# KiCad board latentpink.kicad_pcb (continued)
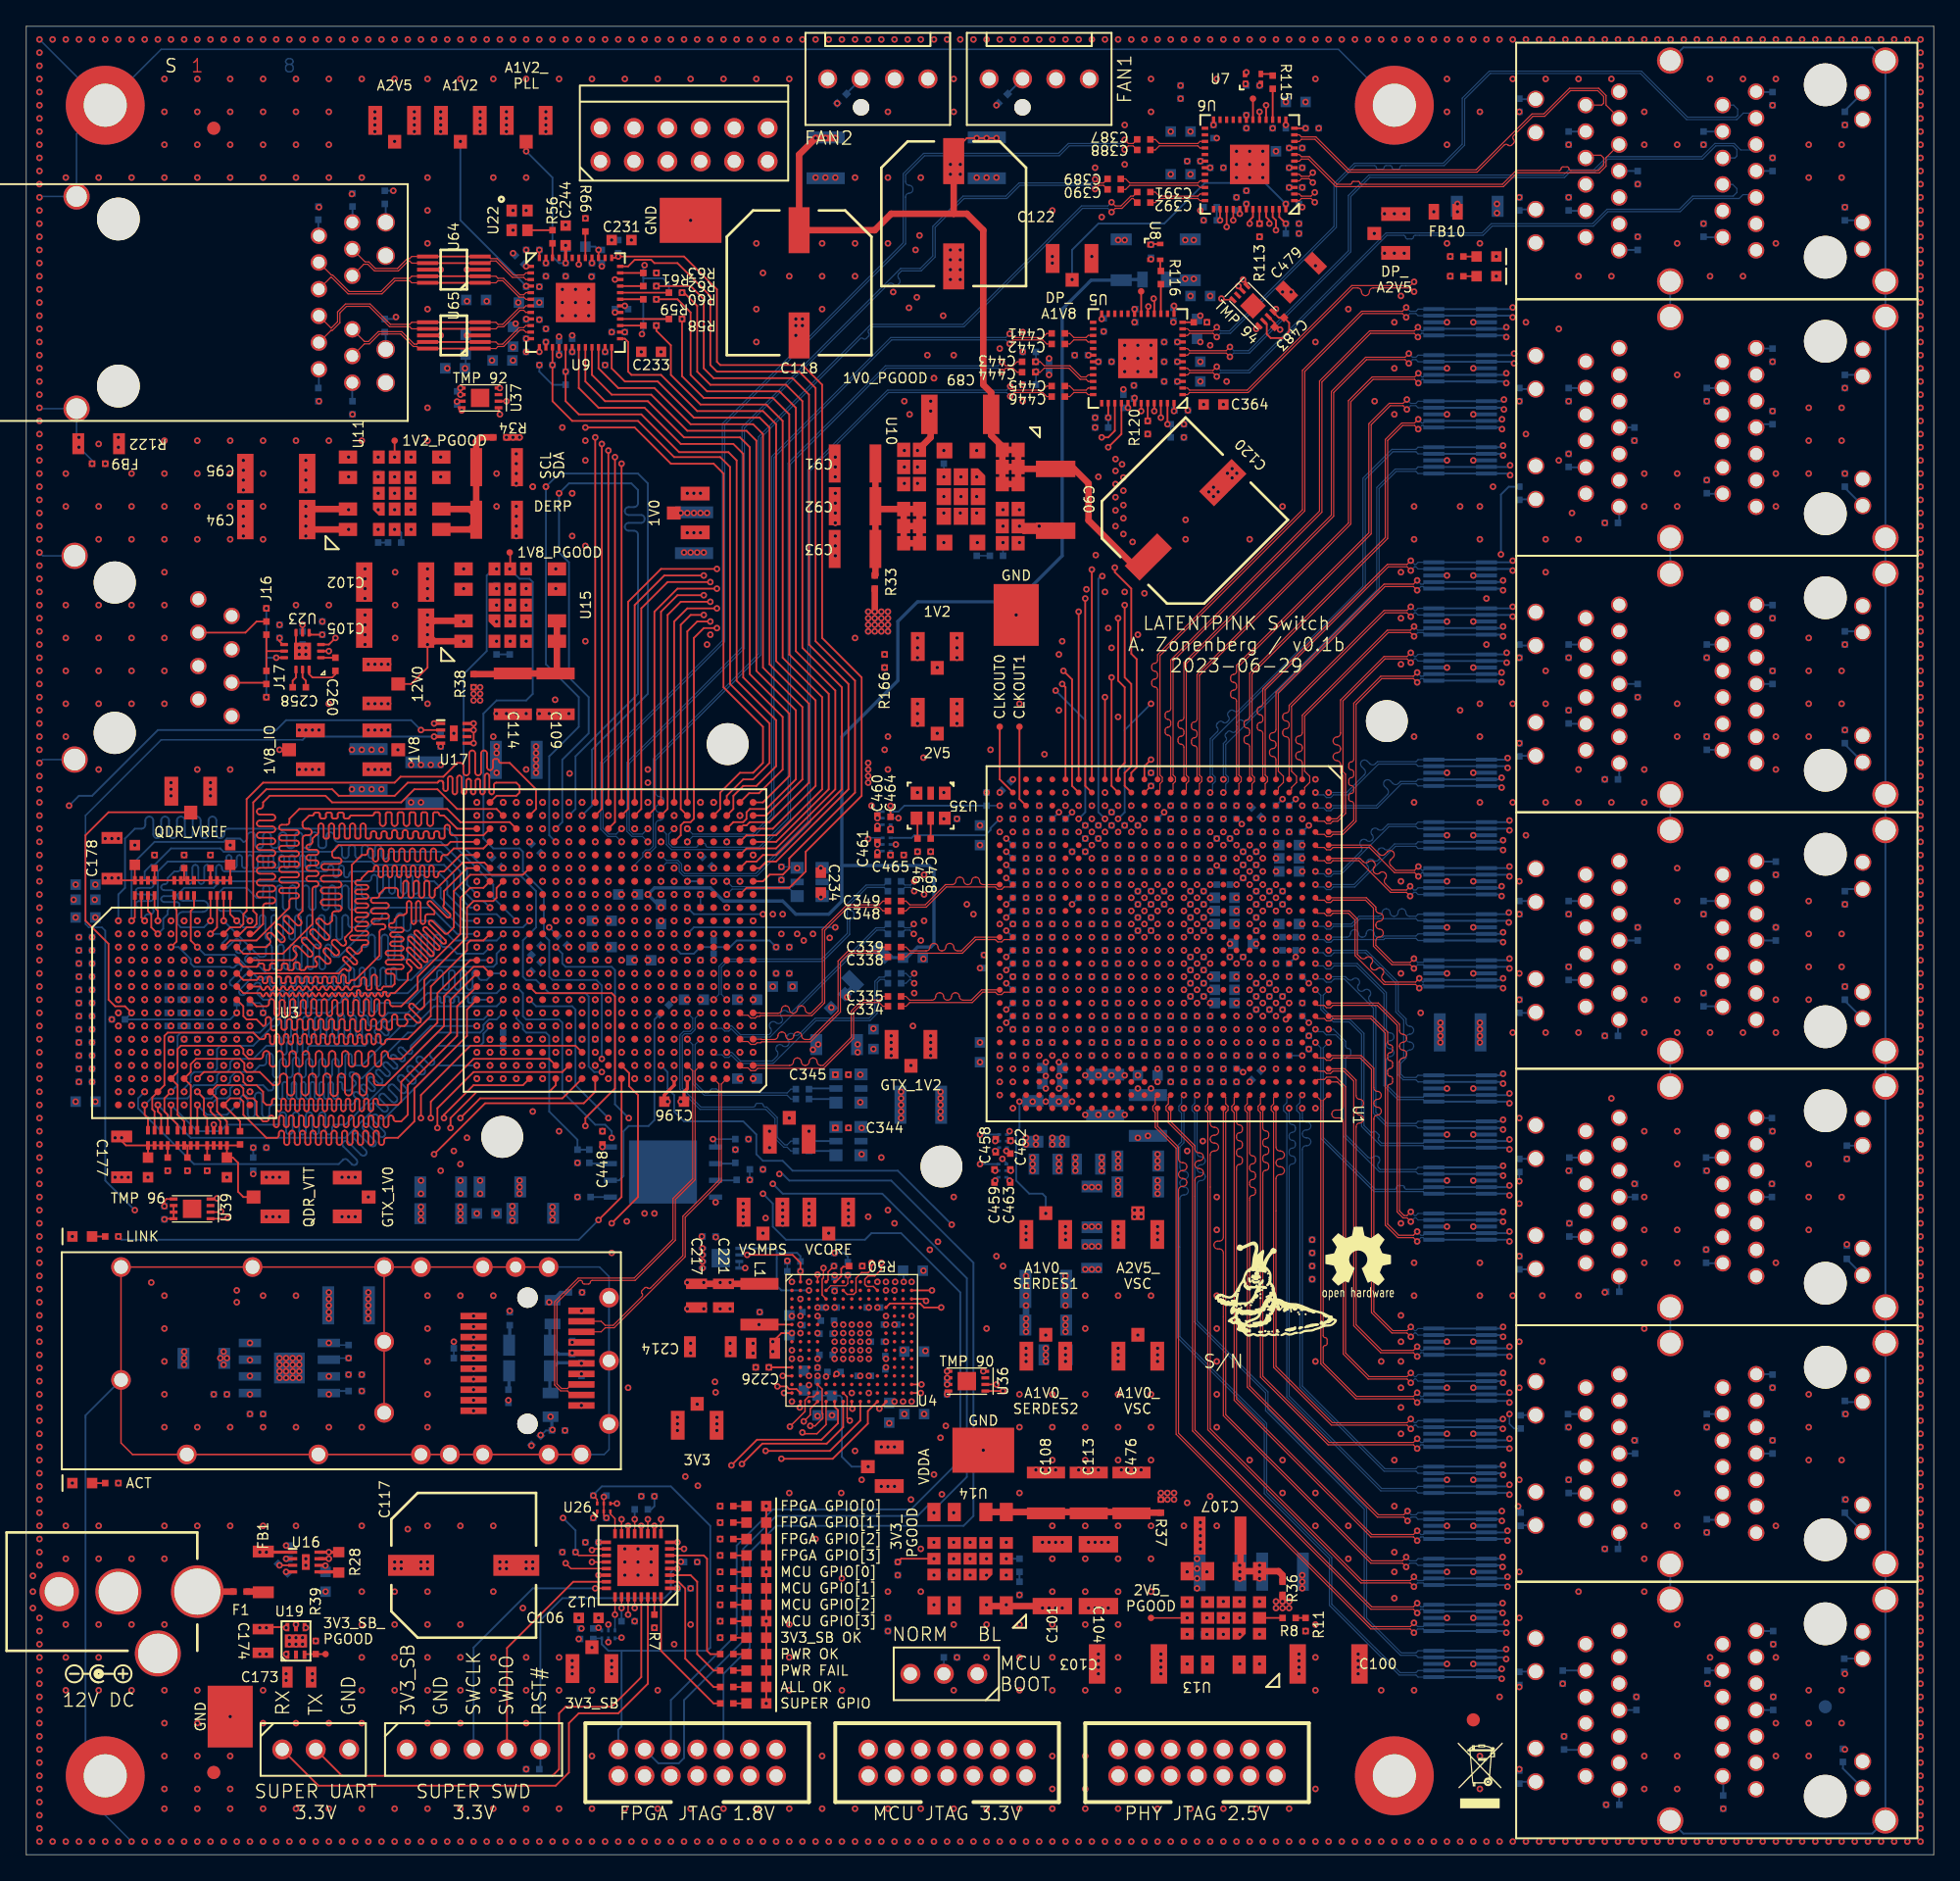
[diagram p0: board, top side]
## Routing (per net, layer and track width the routed paths; a pad name or vN(x,y) marks a point on that pad's centre or on a via; arc(x,y) is an arc through that point) (continued)
Net-(R90-Pad2): length 84.5
  In2.Cu w0.115: v1(84,79.75) 84,95.5 v1(83.5,96)
  In5.Cu w0.115: v1(138.25,85.5) 135.25,85.5 133.5,87.25 133.5,94.75 126.75,101.5 123.25,101.5 121,99.25 103.85,99.25 101.07,96.47 84.72,96.47 84.25,96 v1(83.5,96)
Net-(R91-Pad2): length 51.7
  In2.Cu w0.115: v1(85,78.75) v1(85,95.9)
  In5.Cu w0.115: v1(85,95.9) 101.3,95.9 104.3,98.9 112.05,98.9 v1(112.1,98.85)
  Bottom w0.14: v1(112.1,98.85) 112.1,103.4 112.7,104 R91.2
Net-(R92-Pad2): length 95.5
  Top w0.14: v1(82.75,97.85) 82.75,97.5 84,96.25 84,91.3 84.41,90.89 84.41,82.66 84,82.25 U1.T1
  In5.Cu w0.115: v1(82.75,97.85) 83.9,99 84.9,99 86.1,97.8 97.7,97.8 109.1,109.2 109.1,116.6 110.75,118.25 130,118.25 133.75,114.5 133.75,108 136.75,105 v1(138.25,105)
Net-(R93-Pad2): length 94.9
  In2.Cu w0.115: v1(89.44,54.25) 89.44,27.81 v1(90,27.25)
  In5.Cu w0.115: v1(89.44,54.25) 90.5,55.31 90.5,74 90.25,74.25 89.75,74.25 89.5,74.5 89.5,79.9 89.1,80.3 85,80.3 83.97,81.33 79.58,81.33 v1(79,80.75) ; v1(90,27.25) 94.5,27.25 109,12.75 v1(113.5,12.75)
Net-(R94-Pad2): length 128.6
  In2.Cu w0.115: v1(79,79.75) 78.5,80.25 v1(78.5,87)
  In5.Cu w0.115: v1(78.5,87) 93.75,87 94,86.75 94,80.25 94.5,79.75 94.5,78.5 94.75,78.25 95.25,78.25 95.5,78 95.5,77.5 95.75,77.25 97.25,77.25 98.25,76.25 99.25,76.25 100,75.5 100,32 108.75,23.25 112.5,23.25 115,20.75 130.83,20.75 134.54,17.04 134.54,15.71 136.5,13.75 v1(138.25,13.75)
Net-(R95-Pad2): length 98.3
  In5.Cu w0.115: v1(112.75,33.5) 112.5,33.75 105.5,33.75 101.5,37.75 101.5,79.25 100.5,80.25 97.75,80.25 97.5,80.5 97.5,87.5 96.5,88.5 v1(78.25,88.5)
  Bottom w0.115: v1(112.75,33.5) 112.75,32.75 113.1,32.4 R95.2
  Bottom w0.14: v1(80,78.75) 80.5,79.25 80.5,86.25 v1(78.25,88.5)
Net-(R96-Pad2): length 112.9
  Top w0.14: v1(78.75,89) 79,88.75 U1.AA1
  In5.Cu w0.115: v1(78.75,89) 97.25,89 98.25,88 98.25,83 102,79.25 102,45 106,41 120,41 126.5,34.5 130,34.5 131,33.5 v1(138.3,33.5)
Net-(R97-Pad2): length 79.4
  Top w0.14: U1.Y2 79.5,81.25 79.5,89.34 v1(78.84,90)
  In5.Cu w0.115: v1(78.84,90) 97.75,90 99.25,88.5 99.25,83.5 103,79.75 103,54.5 104.69,52.81 112.79,52.81 113.5,52.1 v1(113.5,51.2)
  Bottom w0.115: R97.2 v1(113.5,51.2)
Net-(R98-Pad2): length 105.1
  In2.Cu w0.115: v1(78.75,92.25) 80,91 v1(80,79.75)
  In5.Cu w0.115: v1(78.75,92.25) 97.5,92.25 100.25,89.5 100.25,84.25 104,80.5 104,60.75 104.79,59.96 124.04,59.96 124.3,59.7 126.4,59.7 128.4,57.7 133,57.7 134.7,56 134.7,53.4 135.2,52.9 v1(138.4,52.9)
Net-(R99-Pad2): length 61.2
  In2.Cu w0.115: v1(82.25,93.25) 81.5,92.5 81.5,79.25 v1(81,78.75)
  In5.Cu w0.115: v1(113.5,71.5) 113.5,71.75 113,72.25 111.75,72.25 111,73 111,77.06 104.06,84 102.25,84 101.25,85 101.25,90.75 98.75,93.25 v1(82.25,93.25)
Net-(R100-Pad2): length 82.4
  Top w0.14: v1(80,94.5) U1.Y1
  In5.Cu w0.115: v1(80,94.5) 99.5,94.5 110,84 113,84 116.47,80.53 122.78,80.53 124.5,82.25 128,82.25 134.5,75.75 134.5,74.5 136.75,72.25 v1(138.25,72.25)
Net-(R101-Pad2): length 50.8
  Top w0.14: U1.W2 80.5,81.25 v1(80.5,95.5)
  In5.Cu w0.115: v1(80.5,95.5) 110,95.5 111.25,94.25 111.25,92.75 112,92 112.75,92 113.5,91.25 v1(113.5,91)
Net-(R102-Pad2): length 80.8
  In2.Cu w0.115: v1(81,79.75) 81,95.79 v1(80.59,96.2)
  In5.Cu w0.115: v1(80.59,96.2) 81.09,96.7 84.2,96.7 84.3,96.8 100.6,96.8 104.3,100.5 121.25,100.5 122.75,102 127,102 137,92 v1(138.25,92)
Net-(R103-Pad2): length 56.9
  In5.Cu w0.115: v1(113.5,110.5) 113.5,109 112.25,107.75 108.55,107.75 98,97.2 81.8,97.2 v1(81.8,97.2)
  Bottom w0.14: v1(82,78.75) 81.5,79.25 81.5,97 81.7,97.2 v1(81.8,97.2)
Net-(R104-Pad2): length 94.8
  Top w0.14: v1(81,97.7) U1.W1
  In5.Cu w0.115: v1(138.25,111.5) 135.5,111.5 134.5,112.5 134.5,115.25 128.6,121.15 123.55,121.15 121.4,119 108.2,119 107.1,117.9 107.1,108.6 96.8,98.3 86.1,98.3 85.1,99.3 82.6,99.3 v1(81,97.7)
Net-(R108-Pad2):
  vias: v1(96,61.75)
Net-(R115-Pad1): length 0.8
  Top w0.14: U7.3 94.63,135.38
Net-(R116-Pad1): length 0.8
  Top w0.14: U8.3 86.2,120.45
Net-(R117-Pad2): length 1
  Bottom w0.14: v1(50.25,74) R117.2
Net-(R118-Pad2):
  vias: v1(42.25,74)
Net-(R123-Pad2): length 1.4
  Bottom w0.14: U28.2 53.83,52.53
Net-(R124-Pad2): length 1.6
  Bottom w0.14: U28.3 53.97,51.27
Net-(R125-Pad1): length 1.5
  Bottom w0.14: U28.7 42.86,52.53
Net-(R126-Pad1): length 1.5
  Bottom w0.14: U28.5 42.91,50
Net-(U1-PadAE22):
  vias: v1(75,60.75)
Net-(U1-PadAF22):
  vias: v1(74,60.75)
Net-(U1-PadE13): length 0.5
  Bottom w0.14: R110.2 v1(95,69.75)
Net-(U1-PadE14): length 0.5
  Bottom w0.14: C353.1 v1(95,68.75)
Net-(U1-PadK4):
  vias: v1(90,78.75)
Net-(U1-PadK23):
  vias: v1(90,59.75)
Net-(U1-PadL4):
  vias: v1(89,78.75)
Net-(U1-PadL23):
  vias: v1(89,59.75)
Net-(U1-PadV2): length 91.9
  In2.Cu w0.115: v1(88.25,53.5) v1(88.25,26.75)
  In5.Cu w0.115: v1(88.25,26.75) 93.25,26.75 v1(113.5,6.5) ; v1(82,80.75) 83.85,80.75 86.3,78.3 87.3,78.3 87.5,78.1 87.5,54.25 v1(88.25,53.5)
Net-(U1-PadV3): length 130.4
  In2.Cu w0.115: v1(82,79.75) 83,80.75 v1(83,86.5)
  In5.Cu w0.115: v1(138.25,8) 130.5,8 129.49,9.01 126.74,9.01 122.75,13 122.75,18.25 121.44,19.56 108.69,19.56 99.5,28.75 99.5,75 98.75,75.75 97.75,75.75 97.25,76.25 94.75,76.25 94.5,76.5 94.5,78 94.25,78.25 93.75,78.25 93.5,78.5 93.5,86 93,86.5 v1(83,86.5)
Net-(U5-Pad12): length 0.8
  Top w0.14: U5.12 R121.2
Net-(U6-Pad12): length 0.8
  Top w0.14: U6.12 v1(97.25,131.25)
Net-(U9-Pad27): length 1.8
  Top w0.14: U9.27 R58.2
Net-(U9-Pad28): length 3.7
  Top w0.14: U9.28 R59.2
Net-(U9-Pad31): length 1.8
  Top w0.14: U9.31 R60.2
Net-(U9-Pad32): length 3.7
  Top w0.14: U9.32 R61.2
Net-(U9-Pad33): length 1.8
  Top w0.14: U9.33 R62.2
Net-(U9-Pad35): length 1.8
  Top w0.14: U9.35 R63.2
Net-(U9-Pad41): length 2
  Top w0.14: R66.2 U9.41
Net-(U9-Pad48): length 0.6
  Top w0.14: U9.48 v1(39,122)

## Copper pours and planes (outline as drawn; the poured copper is in the pictures)
/1V0 on Top: 66,92.5 63.5,92.5 63.5,95 66,95
/1V0 on In3.Cu: 94.5,125.5 95.75,125.5 95.75,128.75 97,128.75 97,122.5 87,122.5 87,117 89.5,117 89.5,110.25 86.75,110.25 86.75,108 87.5,108 87.5,77.25 93.25,77.25 93.25,60.5 88.75,60.5 88.75,61.25 83.75,61.25 83.75,36.5 76.75,36.5 76.75,39.25 78.25,39.25 78.25,46.75 75.5,46.75 75.5,56.5 80,56.5 80,58.25 78.75,58.25 79,81.5 68.75,81.5 68.75,75.75 56.5,75.75 56.5,69.25 50.5,69.25 50.5,66.75 48.5,66.75 48.5,66 43.5,66 43.5,56 39.75,56 39.75,47.5 24,47.5 24,58 41.25,58 41.25,60.25 42.5,60.25 42.5,63 40.75,63 40.75,73.5 43.75,73.5 43.75,67.5 47,67.5 47,71.5 49.25,71.5 49.25,81.5 38,81.5 38,85 39.5,85 39.5,104 53.25,104 53.25,80.25 64.75,80.25 64.75,86.5 70,86.5 70,91.5 61.75,91.5 61.75,126 75,126 75,136.5 94.5,136.5
/1V2 on Top: 38.25,107.25 36.25,107.25 36.25,108.25 38.25,108.25
/1V2 on In2.Cu: 64.5,81 63.5,81 63.5,83.5 64.5,83.5
/1V2 on In2.Cu: 65,61 64.5,60.5 62.75,60.5 62.75,62.25 65,62.25
/1V2 on In3.Cu: 61.5,91.25 69.75,91.25 69.75,86.75 64.5,86.75 64.5,80.5 53.5,80.5 53.5,104.25 33.25,104.25 33.25,114.75 38.75,114.75 38.75,115.5 40.5,115.5 40.5,126 61.5,126
/1V8 on Top: 35,87.25 33.5,87.25 33.5,89.25 35,89.25
/1V8 on In3.Cu: 39.25,85.25 37.75,85.25 37.75,81.25 49,81.25 49,71.75 46.75,71.75 46.75,67.75 44,67.75 44,73.75 40.75,73.75 40.75,76.5 34.25,76.5 34.25,65.75 32.75,65.75 32.75,61.75 20,61.75 20,65.75 15,65.75 15,58 20.75,58 20.75,40.5 17,40.5 17,34.75 14.5,34.75 14.5,46.5 9,51.25 6.5,51.25 6.5,72.25 5,72.25 5,74.5 24.25,74.5 24.25,99.25 33.25,99.25 33.25,104 39.25,104
/1V8_IO on In4.Cu: 95,130.5 93.75,130.5 93.75,126.5 95.25,126.5 95.25,125 96.5,125 97.25,124.25 97.25,122.5 90.75,122.5 86,118 86,111.5 106.25,111.5 106.25,87.25 65.25,87.25 65.25,77 66.25,77 66.25,76.5 65.25,76.5 65.25,73.25 76.25,73.25 76.25,58.25 73.75,58.25 73.75,50.5 69.5,50.5 69.5,66.5 52.75,66.5 52.75,55.5 69.25,55.5 69.25,49.25 47.75,49.25 47.75,26.25 41.75,26.25 41.75,47.75 29,47.75 29,53 16,53 16,56.75 4.75,56.75 4.75,72 7.75,72 7.75,76.5 14.5,76.5 14.5,91.25 34.75,91.25 34.75,125 85.5,125 85.5,135.5 95,135.5 ; 1 cut-out
/2V5 on Top: 96.5,18.25 94.5,18.25 94.5,19.75 96.5,19.75
/2V5 on In4.Cu: 142.5,2.5 81.5,2.5 81.5,10.75 98,10.75 98,16.25 93,16.25 93,25.75 96.75,25.75 96.75,33 87,33 87,49.75 82.5,49.75 82.5,55 87.5,55 87.5,59.75 92.5,59.75 92.5,63.25 95.5,63.25 95.5,74.75 93,74.75 93,78.25 89.5,78.25 89.5,76.25 87.5,76.25 87.5,69.25 80.5,69.25 80.5,57.75 79.5,57.75 79.5,50.5 74,50.5 74,58 76.5,58 76.5,73.5 65.5,73.5 65.5,76.25 66.5,76.25 66.5,77.25 65.5,77.25 65.5,87 106.5,87 106.5,119.75 107.75,119.75 107.75,125.25 98.75,125.25 98.75,130.5 95.25,130.5 95.25,135.75 85.25,135.75 85.25,125.25 34.5,125.25 34.5,112.5 31.75,112.5 31.75,129 42,129 42,127.5 82,127.5 82,136.5 142.5,136.5
/3V3 on Top: 87.75,26.5 85.75,26.5 85.75,28 87.75,28
/3V3 on In3.Cu: 74.75,126.25 40,126.25 40,131 27.5,131 27.5,129.25 33,129.25 33,99.5 24,99.5 24,74.75 4.75,74.75 4.75,72 6.25,72 6.25,51 9,51 14.25,46.25 14.25,34.5 17.25,34.5 17.25,40.25 20.75,40.25 20.75,34 24,34 24,47.25 52,47.25 52,65 49.75,65 49.75,60.5 43.75,60.5 43.75,65.75 48.75,65.75 48.75,66.5 50.75,66.5 50.75,69 56.75,69 56.75,75.5 69,75.5 69,81.25 72.25,81.25 72.25,39.25 76.5,39.25 76.5,36.25 84,36.25 84,47.75 97.72,47.78 97.97,82.78 87.75,82.75 87.75,108 94.25,108 94.25,119.5 100.75,119.5 100.75,136.5 142.5,136.5 142.5,2.5 60.75,2.5 60.75,15.75 68.75,15.75 68.75,29.25 9.25,29.25 9,49.5 2.5,49.5 2.5,109 21,109 21,127 2.5,127 2.5,136.5 10.25,136.5 10.25,135.25 22.75,135.25 22.75,136.5 74.75,136.5 ; 2 cut-outs
/3V3_SB on In3.Cu: 9,29 68.5,29 68.5,16 60.5,16 60.5,2.5 2.5,2.5 2.5,49.25 8.75,49.25 ; 1 cut-out
/12V0 on Top: 74.75,129.75 71.75,129.75 71.75,125.25 73.5,125.25 73.5,112 74.25,112 74.25,107.75 76.5,107.75 76.5,106.5 80,106.5 80,105.75 82,103.75 82,101.48 87.75,101.48 87.75,98.25 80,98.25 80,103.25 73.5,103.25 73.5,107.75 72,107.75 72,123 68.75,123 68.75,121.25 57.5,121.25 57.5,131.25 74.75,131.25
/12V0 on Top: 97.75,12.25 85,12.25 85,16 97.75,16
/12V0 on In4.Cu: 81.75,127.75 42.25,127.75 42.25,129.25 31.5,129.25 31.5,112.25 34.5,112.25 34.5,91.5 14.25,91.5 14.25,76.75 4,76.75 4,47.25 11.25,47.25 11.25,29.25 41.5,29.25 41.5,26 48,26 48,32.75 69.5,32.75 69.5,50.25 79.5,50.25 79.5,32.75 96.5,32.75 96.5,26 92.75,26 92.75,16 97.75,16 97.75,11 81.25,11 81.25,2.5 2.5,2.5 2.5,109 21,109 21,127 2.5,127 2.5,136.5 10.25,136.5 10.25,135.25 22.75,135.25 22.75,136.5 81.75,136.5
/GND on In1.Cu: 142.5,2.5 2.5,2.5 2.5,109 21,109 21,127 2.5,127 2.5,136.5 10.25,136.5 10.25,135.25 22.75,135.25 22.75,136.5 142.5,136.5 ; 38 cut-outs
/GND on In6.Cu: 142.5,2.5 2.5,2.5 2.5,109 21,109 21,127 2.5,127 2.5,136.5 10.25,136.5 10.25,135.25 22.75,135.25 22.75,136.5 142.5,136.5 ; 202 cut-outs
/Management/RGMII PHY/A1V2 on In4.Cu: 38.75,116 36.5,116 36.5,119.75 38.75,119.75
/Management/RGMII PHY/A2V5 on In3.Cu: 39.75,126 40.25,126 40.25,115.75 38.5,115.75 38.5,115 33.25,115 33.25,129.5 27.75,129.5 27.75,130.75 39.75,130.75
/Power Supply/12V0_FUSED on In3.Cu: 21.5,21.5 20.75,21.5 20.75,22.5 18,22.5 18,17.75 21.75,17.75 21.75,16.5 16.75,16.5 16.75,23.75 21.5,23.75
/QSGMII PHY/QSGMII Power/A1V0_VSC on In4.Cu: 92.75,74.5 95.25,74.5 95.25,63.5 92.25,63.5 92.25,60 87.25,60 87.25,55.25 82.25,55.25 82.25,49.5 86.75,49.5 86.75,33 79.75,33 79.75,57.5 80.75,57.5 80.75,69 87.75,69 87.75,76 89.75,76 89.75,78 92.75,78
/QSGMII PHY/QSGMII Power/A1V0_VSC_SERDES1 on In3.Cu: 78.5,58 79.75,58 79.75,56.75 75.5,56.75 75.5,57.75 76.5,57.75 76.5,81.25 78.75,81.25
/QSGMII PHY/QSGMII Power/A1V0_VSC_SERDES2 on In3.Cu: 76.25,58 75.25,58 75.25,46.5 78,46.5 78,39.5 72.5,39.5 72.5,81.25 76.25,81.25
/QSGMII PHY/QSGMII Power/A2V5_VSC on In3.Cu: 97.26,48.03 84,48 84,61 88.5,61 88.5,60.25 93.5,60.25 93.5,77.5 87.75,77.5 87.75,82.5 97.51,82.53
/CHGND on Top: 144.75,0.25 0.25,0.25 0.25,138.75 144.75,138.75 ; 2 cut-outs
/CHGND on Bottom: 144.75,0.25 0.25,0.25 0.25,138.75 144.75,138.75 ; 3 cut-outs
/CHGND on In1.Cu, In6.Cu: 144.75,0.25 0.25,0.25 0.25,138.75 144.75,138.75 ; 1 cut-out
/CHGND on In2.Cu, In3.Cu, In4.Cu, In5.Cu: 144.75,0.25 0.25,0.25 0.25,138.75 144.75,138.75 ; 1 cut-out
/CHGND on In3.Cu, In4.Cu: 144.75,0.25 0.25,0.25 0.25,138.75 144.75,138.75 ; 1 cut-out
/FPGA/GTX_1V0 on In3.Cu: 51.75,47.5 40,47.5 40,55.75 43.75,55.75 43.75,60.25 50,60.25 50,64.75 51.75,64.75
/FPGA/GTX_1V2 on In4.Cu: 69.25,55.75 53,55.75 53,66.25 69.25,66.25
/FPGA/GTX_1V8 on In3.Cu: 58.25,65.5 62.75,65.5 62.75,65 58.25,65 58.25,56 57.75,56 57.75,65 56.5,65 56.5,66.5 52,66.5 52,68 58.25,68
/Management/VCORE on In4.Cu: 65.5,43.5 67.25,43.5 67.25,39.25 66.25,39.25 66.25,34 65,34 65,35.25 59.75,35.25 59.75,49 65.5,49
/Management/VSMPS on In4.Cu: 59.5,35 64.75,35 64.75,33.75 66.5,33.75 66.5,39 67.5,39 67.5,43.75 65.75,43.75 65.75,49 69.25,49 69.25,33 48,33 48,49 59.5,49
/QDR_VREF on In3.Cu: 40,62.25 42.25,62.25 42.25,61 40.5,61 40.5,58.75 23.25,58.75 23.25,34.75 21.5,34.75 21.5,58.75 15.75,58.75 15.75,65 19.25,65 19.25,61 33.5,61 33.5,65 35.25,65 35.25,75.75 40,75.75
/QDR_VTT on Top: 16.75,52.5 6.25,52.5 6.25,54.5 16.75,54.5
/QDR_VTT on Top: 16.25,73.5 5.5,73.5 5.5,76 16.25,76
/QDR_VTT on In4.Cu: 7.5,72.25 4.5,72.25 4.5,56.5 15.75,56.5 15.75,52.75 28.75,52.75 28.75,29.5 11.5,29.5 11.5,47.5 4.25,47.5 4.25,76.5 7.5,76.5
/QSGMII PHY/SFP_3V3 on In4.Cu: 41.5,29.5 29,29.5 29,47.5 41.5,47.5
/SGMII PHYs/DP_A1V8 on In3.Cu: 100.5,119.75 94,119.75 94,108.25 87,108.25 87,110 89.75,110 89.75,117.25 87.25,117.25 87.25,122.25 97.25,122.25 97.25,129 95.5,129 95.5,125.75 94.75,125.75 94.75,136.5 100.5,136.5
/SGMII PHYs/DP_A2V5 on In4.Cu: 98.5,125 107.5,125 107.5,120 106.25,120 106.25,111.75 86.25,111.75 86.25,118 90.75,122.25 97.5,122.25 97.5,124.5 96.75,125.25 95.5,125.25 95.5,126.75 94,126.75 94,130.25 98.5,130.25

## Text on the board
Bottom: 8
B.Mask: M
B.Silkscreen: S
User.Drawings: OUTER / 140um = 50R / 90 um / 90 um = 100R diff (?) / INNER / 115 um = 50R / 81 um / 89 um = 100R diff
Top: 1
F.Fab: Place UL mark / and date code / in this box
F.Mask: M
F.Silkscreen: LINK | ACT | 3V3_SB_ / PGOOD | 1V2_PGOOD | 1V8_PGOOD | DERP | FPGA GPIO[0] | FPGA GPIO[1] | FPGA GPIO[2] | FPGA GPIO[3] | MCU GPIO[0] | MCU GPIO[1] | MCU GPIO[2] | MCU GPIO[3] | 3V3_SB OK | PWR OK | PWR FAIL | ALL OK | SUPER GPIO | 1V0_PGOOD | TMP 96 | QDR_VREF | A2V5 | A1V2 | TMP 92 | A1V2_ / PLL | 3V3_SB | 3V3 | VSMPS | VCORE | GTX_1V2 | 1V2 | 2V5 | TMP 90 | GND | A1V0_ / SERDES1 | A1V0_ / SERDES2 | DP_ / A1V8 | A2V5_ / VSC | A1V0_ / VSC | 2V5_ / PGOOD | DP_ / A2V5 | SCL | SDA | CLKOUT0 | CLKOUT1 | 1V8_IO | QDR_VTT | GTX_1V0 | 1V8 | 12V0 | 1V0 | 3V3_ / PGOOD | VDDA | TMP 94 | NORM | BL | MCU / BOOT | 12V DC | S | SUPER UART / 3.3V | SUPER SWD / 3.3V | FPGA JTAG 1.8V | FAN2 | MCU JTAG 3.3V | PHY JTAG 2.5V | S/N | LATENTPINK Switch / A. Zonenberg / v0.1b / 2023-06-29 | RX | TX | SWCLK | SWDIO | RST# | FAN1
In1.Cu: 2
In2.Cu: 3
In3.Cu: 4
In4.Cu: 5
In5.Cu: 6
In6.Cu: 7
